# Altium PCB higgs.PcbDoc (part 15 of 25) (continued)
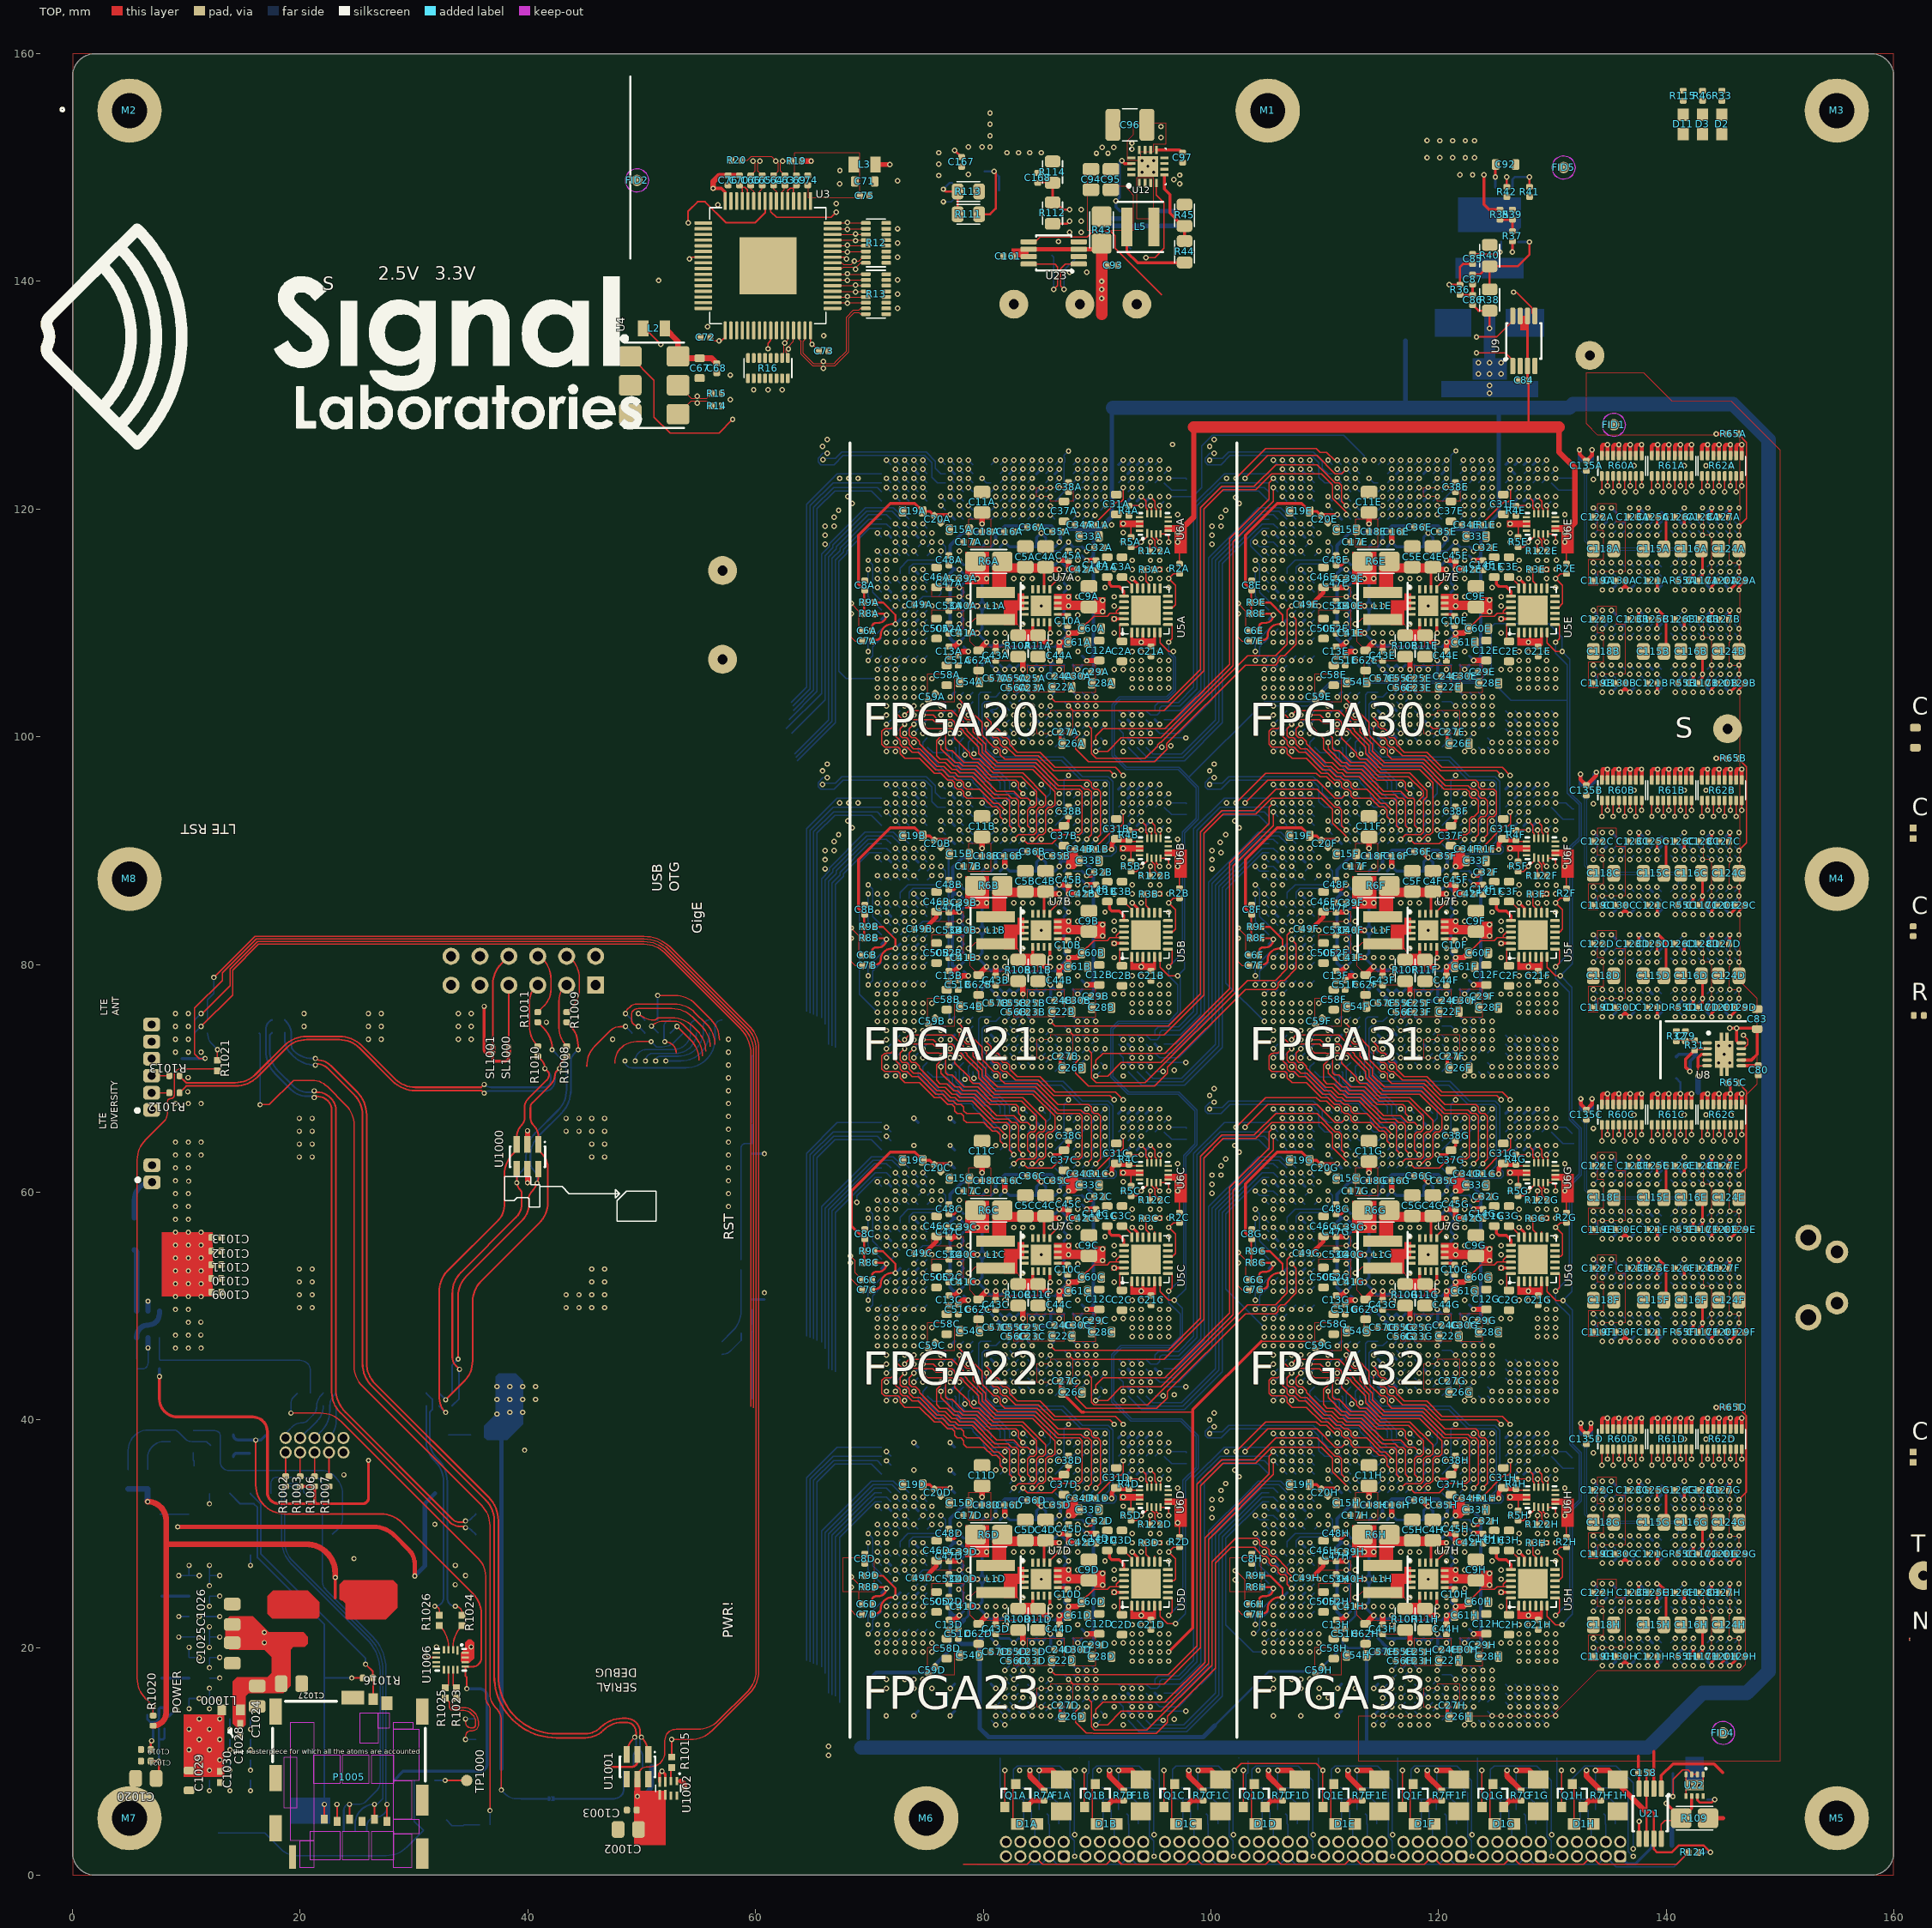
[diagram p0: TOP view]
## Nets (pads, with @x,y where several pads share a name; then routed paths per layer and width w, separated by ;. In a path a pad name is that pad's centre, name@x,y a point inside that pad or via, vN(x,y) a via of type N, cw(c..) or ccw(c..) an arc to the next point about the centre after c; other vN are vias at no path point) (continued)
  BOT w0.102: v1(114.3,74.2) 115.1,74.2 U1F.P27@115.5,74.6 ; U1G.AB7@121.9,62.1 v1(122.3,62.5)
IL12_31.LR.G2.D4_N: U1F.L27 U1G.W4 | length 17.4
  S6(H) w0.102: v1(112.7,74.2) 112.299,73.799 112.299,71.47 114.774,68.995 118.4,68.995 120.2,67.195 120.569,67.195 121.099,66.665 121.099,65.535 120.865,65.301 120.301,65.301 v1(119.9,64.9)
  BOT w0.102: v1(112.7,74.2) U1F.L27@113.1,74.6 ; U1G.W4@119.5,64.5 v1(119.9,64.9)
IL12_31.LR.G2.D4_P: U1F.L26 U1G.Y4 | length 18.2
  S6(H) w0.102: v1(112.7,75) 112.7,74.764 113.099,74.365 113.099,71.101 114.9,69.3 118.527,69.3 120.327,67.5 121.064,67.5 121.899,66.665 121.899,65.904 120.895,64.9 v1(120.7,64.9)
  BOT w0.102: v1(112.7,75) U1F.L26@113.1,75.4 ; U1G.Y4@120.3,64.5 v1(120.7,64.9)
IL12_31.LR.G2.S_N: U1F.N29 U1G.AB6 | length 27.9
  TOP w0.102: v1(114.3,73.4) 114.3,73.164 114.699,72.765 114.699,72.437 114.935,72.201 115.264,72.201 115.5,71.964 115.5,71.636 115.736,71.399 116.065,71.399 116.299,71.165 116.299,70.836 116.998,70.138 118.982,70.138 120.316,68.804 125.614,68.804 v1@126.309,68.109
  S6(H) w0.102: v1(122.3,63.3) 121.901,62.901 121.901,62.335 122.136,62.1 124.064,62.1 124.299,62.335 124.299,68.099 124.699,68.499 125.901,68.499 v1(126.3,68.1)
  BOT w0.102: v1(114.3,73.4) U1F.N29@114.7,73 ; U1G.AB6@121.9,62.9 v1(122.3,63.3)
IL12_31.LR.G2.S_P: U1F.N30 U1G.AB5 | length 26.5
  TOP w0.102: v1(114.3,72.6) 114.3,72.036 114.935,71.401 115.264,71.401 115.499,71.165 115.499,70.836 115.735,70.601 116.064,70.601 116.832,69.833 118.856,69.833 120.19,68.499 125.118,68.499 v1@125.509,68.109
  S6(H) w0.102: v1(122.3,64.1) 121.596,63.396 121.596,62.208 122.009,61.795 124.191,61.795 125.099,62.704 125.099,67.699 v1(125.5,68.1)
  BOT w0.102: v1(114.3,72.6) U1F.N30@114.7,72.2 ; U1G.AB5@121.9,63.7 v1(122.3,64.1)
IL12_31.LR.G3.D0_N: U1F.E30 U1G.AB4 | length 19.5
  S1(V) w0.102: v1(107.9,71.8) 107.9,71.68 108.395,71.185 108.395,70.616 111.501,67.51 111.501,67.135 111.736,66.9 113.416,66.9 115.017,65.299 120.065,65.299 120.301,65.064 120.301,64.735 120.535,64.501 121,64.501 121.399,64.9 v1(122.3,64.9)
  BOT w0.102: v1(107.9,71.8) U1F.E30@108.3,72.2 ; U1G.AB4@121.9,64.5 v1(122.3,64.9)
IL12_31.LR.G3.D0_P: U1F.F30 U1G.AB3 | length 18.4
  S1(V) w0.102: v1(108.7,71.8) 108.7,70.742 111.67,67.772 112.975,67.772 114.647,66.1 120.105,66.1 120.299,65.905 120.299,65.8 120.301,65.798 120.301,65.535 120.535,65.301 120.998,65.301 121,65.299 121.899,65.299 v1(122.3,65.7)
  BOT w0.102: v1(108.7,71.8) U1F.F30@109.1,72.2 ; U1G.AB3@121.9,65.3 v1(122.3,65.7)
IL12_31.LR.G3.D1_N: U1F.D32 U1G.AD4 | length 24.3
  S1(V) w0.102: v1(107.099,70.199) 108.998,68.3 108.998,67.997 109.404,67.592 109.404,66.792 110.896,65.299 111.265,65.299 111.499,65.065 111.499,64.802 111.501,64.8 111.501,64.735 111.735,64.501 112.495,64.501 115.091,61.905 120.68,61.905 121.55,62.775 121.55,64.148 121.901,64.499 122.464,64.499 122.864,64.9 v1(123.9,64.9)
  BOT w0.102: v1(107.099,70.199) U1F.D32@107.499,70.599 ; U1G.AD4@123.5,64.5 v1(123.9,64.9)
IL12_31.LR.G3.D1_P: U1F.C32 U1G.AC5 | length 24.2
  S1(V) w0.102: v1@106.299,70.199 106.365,70.199 108.299,68.265 108.299,67.137 108.536,66.899 108.865,66.899 110.394,65.37 110.394,65.001 110.895,64.5 111.264,64.5 111.501,64.264 111.501,63.935 111.735,63.701 112.864,63.701 114.964,61.6 121,61.6 121.901,62.501 121.901,63.602 121.998,63.699 122.699,63.699 v1(123.1,64.1)
  BOT w0.102: v1@106.299,70.199 U1F.C32@106.699,70.599 ; U1G.AC5@122.7,63.7 v1(123.1,64.1)
  other v1: 106.3,70.2
IL12_31.LR.G3.D2_N: U1F.L30 U1G.Y1 | length 10.6
  BOT w0.102: U1F.L30@113.1,72.2 113.5,71.8 113.5,70.5 113.691,70.309 113.691,70.109 114.695,69.105 118.695,69.105 120.3,67.5 U1G.Y1@120.3,66.9
IL12_31.LR.G3.D2_P: U1F.L31 U1G.W2 | length 11.4
  BOT w0.102: U1F.L31@113.1,71.4 112.7,71 112.7,70.4 112.795,70.305 112.795,70.069 112.799,70.065 112.799,69.836 113.035,69.601 113.768,69.601 114.569,68.8 118.569,68.8 119.9,67.469 119.9,66.5 U1G.W2@119.5,66.1
IL12_31.LR.G3.D3_N: U1F.K29 U1G.AE3 | length 19.6
  S1(V) w0.102: v1(111.9,72.6) 112.136,72.6 113.264,71.471 113.264,70.5 114.464,69.3 123.695,69.3 125.404,67.592 125.404,66.168 124.936,65.7 v1(124.7,65.7)
  BOT w0.102: v1(111.9,72.6) U1F.K29@112.3,73 ; U1G.AE3@124.3,65.3 v1(124.7,65.7)
IL12_31.LR.G3.D3_P: U1F.J29 U1G.AD3 | length 20.9
  S1(V) w0.102: v1(111.1,72.6) 111.336,72.6 111.736,72.2 112.105,72.2 112.799,71.505 112.799,69.8 112.998,69.601 113.732,69.601 114.338,68.995 123.569,68.995 125.099,67.465 125.099,66.335 124.864,66.1 124.3,66.1 v1(123.9,65.7) v1(123.9,65.7)
  BOT w0.102: v1(111.1,72.6) U1F.J29@111.5,73 ; U1G.AD3@123.5,65.3 v1(123.9,65.7)
IL12_31.LR.G3.D4_N: U1F.H28 U1G.AE2 | length 20.3
  S1(V) w0.102: v1(110.3,73.4) 110.3,72.364 110.699,71.965 110.699,70.605 112.313,68.991 113.48,68.991 114.086,68.386 120.65,68.386 121.335,67.701 121.665,67.701 121.937,67.972 123.792,67.972 124.299,67.465 124.299,67.301 124.301,67.299 124.301,66.901 v1(124.7,66.5) v1(124.7,66.5)
  BOT w0.102: v1(110.3,73.4) U1F.H28@110.7,73.8 ; U1G.AE2@124.3,66.1 v1(124.7,66.5)
IL12_31.LR.G3.D4_P: U1F.H27 U1G.AC2 | length 19.7
  S1(V) w0.102: v1(110.3,74.2) 109.901,73.801 109.901,70.835 112.049,68.687 113.354,68.687 113.959,68.081 120.524,68.081 121.208,67.396 122.204,67.396 v1(123.1,66.5)
  BOT w0.102: v1(110.3,74.2) U1F.H27@110.7,74.6 ; U1G.AC2@122.7,66.1 v1(123.1,66.5)
IL12_31.LR.G3.S_N: U1F.B30 U1G.AB2 | length 23.4
  S1(V) w0.102: v1(105.5,71.8) 105.101,72.199 105.101,72.765 105.335,72.999 106.299,72.999 106.3,73 109.292,73 109.596,72.696 109.596,70.708 111.923,68.382 113.227,68.382 113.833,67.776 120.397,67.776 121.082,67.091 121.709,67.091 v1(122.3,66.5)
  BOT w0.102: v1(105.5,71.8) U1F.B30@105.9,72.2 ; U1G.AB2@121.9,66.1 v1(122.3,66.5)
IL12_31.LR.G3.S_P: U1F.B29 U1G.AC3 | length 22.3
  S1(V) w0.102: v1(105.5,72.6) 105.9,72.2 108.864,72.2 109.099,71.965 109.099,70.774 111.797,68.077 113.101,68.077 114.277,66.901 119.735,66.901 120.535,66.101 120.798,66.101 120.8,66.099 122.701,66.099 v1(123.1,65.7)
  BOT w0.102: v1(105.5,72.6) U1F.B29@105.9,73 ; U1G.AC3@122.7,65.3 v1(123.1,65.7)
IL12_31.TB.G8.D0_N: U1F.B22 U1G.AH1 | length 30.4
  S2(H) w0.102: v1(105.5,78.2) 105.901,77.799 105.901,77.235 106.136,77 110.9,77 111.5,76.4 111.5,72.436 111.735,72.201 112.064,72.201 114.768,69.496 115.873,69.496 ; v1(127.1,67.3) 127.1,68.1 126.618,68.582 117.48,68.582 116.567,69.495 115.874,69.495 ; 115.873,69.496 115.874,69.495
  BOT w0.102: v1(105.5,78.2) U1F.B22@105.9,78.6
  BOT w0.254: U1G.AH1@126.7,66.9 v1(127.1,67.3)
IL12_31.TB.G8.D0_P: U1F.A22 U1G.AG1 | length 36.1
  S2(H) w0.102: v1(104.7,78.2) 104.3,77.8 104.3,76.436 104.536,76.199 104.865,76.199 105.099,75.965 105.099,75.636 105.336,75.399 105.665,75.399 105.899,75.165 105.899,75.101 105.901,75.099 105.901,74.835 106.135,74.601 109.095,74.601 109.596,74.1 109.596,72.308 109.901,72.004 109.901,71.635 110.136,71.399 110.465,71.399 110.699,71.165 110.699,70.836 112.035,69.501 112.704,69.501 112.908,69.296 113.675,69.296 114.39,68.582 115.3,68.582 ; v1(126.3,67.3) 126.395,67.205 126.631,67.205 126.936,66.899 127.265,66.899 127.499,66.665 127.499,66.5 127.499,65.535 127.265,65.301 126.135,65.301 125.901,65.535 125.901,65.599 125.899,65.601 125.899,65.865 125.665,66.099 123.736,66.099 123.735,66.101 122.935,66.101 122.701,66.335 122.701,66.4 122.699,66.402 122.699,66.665 122.465,66.899 121.801,66.899 117.6,66.9 117.599,66.901 117.335,66.901 117.101,67.135 117.101,67.366 117.1,67.367 117.1,67.669 116.188,68.581 115.301,68.581 ; 115.3,68.582 115.301,68.581
  BOT w0.102: v1(104.7,78.2) U1F.A22@105.1,78.6
  BOT w0.254: U1G.AG1@125.9,66.9 v1(126.3,67.3)
IL12_31.TB.G8.D1_N: U1F.D22 U1G.AM2 | length 32.7
  S2(H) w0.102: v1(107.1,78.2) 107.499,78.599 111.025,78.599 113.901,75.723 113.901,74.9 113.901,73.4 113.901,72.765 113.901,72.435 114.135,72.201 116.864,72.201 117.099,71.965 117.099,70.687 117.985,69.801 127.899,69.801 130.3,67.4 v1(130.3,66.5)
  BOT w0.102: v1(107.1,78.2) U1F.D22@107.5,78.6 ; U1G.AM2@129.9,66.1 v1(130.3,66.5)
IL12_31.TB.G8.D1_P: U1F.C22 U1G.AL1 | length 32.1
  S2(H) w0.102: v1(106.3,78.2) 107.195,77.305 111.026,77.305 112.3,76.031 112.3,72.436 112.535,72.201 112.842,72.201 114.701,70.342 114.701,70.035 114.935,69.801 115.999,69.801 116,69.8 116.693,69.8 117.607,68.887 126.8,68.887 127.5,68.187 127.5,67.3 127.501,67.299 127.501,67.135 127.736,66.9 129.1,66.9 v1(129.5,67.3)
  BOT w0.102: v1(106.3,78.2) U1F.C22@106.7,78.6 ; U1G.AL1@129.1,66.9 v1(129.5,67.3)
IL12_31.TB.G8.D2_N: U1F.F22 U1G.AK1 | length 28.4
  S2(H) w0.102: v1(108.7,78.2) 110.993,78.2 113.596,75.597 113.596,72.308 114.504,71.401 116.064,71.401 116.299,71.165 116.299,70.837 116.726,70.41 116.946,70.41 117.859,69.496 127.604,69.496 128.7,68.4 v1(128.7,67.3)
  BOT w0.102: v1(108.7,78.2) U1F.F22@109.1,78.6
  BOT w0.254: U1G.AK1@128.3,66.9 v1(128.7,67.3)
IL12_31.TB.G8.D2_P: U1F.E22 U1G.AJ1 | length 28.4
  S2(H) w0.102: v1(107.9,78.2) 108.49,77.61 111.153,77.61 113.291,75.471 113.291,72.182 114.873,70.601 116.104,70.601 116.6,70.105 116.819,70.105 117.733,69.191 127.478,69.191 127.9,68.769 v1(127.9,67.3)
  BOT w0.102: v1(107.9,78.2) U1F.E22@108.3,78.6
  BOT w0.254: U1G.AJ1@127.5,66.9 v1(127.9,67.3)
IL12_31.TB.G8.D3_N: U1F.B23 U1G.AH3 | length 30.6
  S2(H) w0.102: v1(105.5,77.4) 105.5,77.164 105.899,76.765 105.899,76.501 105.901,76.499 105.901,76.435 106.136,76.2 110.299,76.2 110.701,75.798 110.701,72.435 110.935,72.201 111.264,72.201 111.501,71.964 111.501,71.635 111.735,71.401 112.432,71.401 114.642,69.191 115.747,69.191 115.748,69.19 116.441,69.19 117.354,68.277 120.759,68.277 121.335,67.701 125.3,67.701 125.302,67.699 125.665,67.699 125.899,67.465 125.899,67.136 126.136,66.9 126.464,66.9 126.699,66.665 126.699,66.501 126.701,66.499 126.701,66.101 v1(127.1,65.7) v1(127.1,65.7)
  BOT w0.102: v1(105.5,77.4) U1F.B23@105.9,77.8 ; U1G.AH3@126.7,65.3 v1(127.1,65.7)
IL12_31.TB.G8.D3_P: U1F.A23 U1G.AG3 | length 30.4
  S2(H) w0.102: v1(104.7,77.4) 105.099,77.001 105.099,76.436 105.336,76.199 105.665,76.199 105.901,75.964 105.901,75.635 106.135,75.401 109.699,75.401 109.901,75.199 109.901,72.765 109.901,72.435 110.136,72.199 110.465,72.199 110.699,71.965 110.699,71.637 110.935,71.401 111.304,71.401 112.405,70.299 112.565,70.299 112.799,70.065 112.799,69.836 113.035,69.601 113.801,69.601 114.516,68.887 115.62,68.887 115.621,68.886 116.314,68.886 117.228,67.972 120.632,67.972 121.208,67.396 122.439,67.396 122.936,66.9 125.6,66.9 ; 125.601,66.899 125.665,66.899 125.901,66.664 125.901,66.335 126.3,65.936 v1(126.3,65.7)
  BOT w0.102: v1(104.7,77.4) U1F.A23@105.1,77.8 ; U1G.AG3@125.9,65.3 v1(126.3,65.7)
IL12_31.TB.G13.C_N: U1F.F17 U1G.AE1 | length 29.6
  S5(V) w0.102: v1(108.7,82.2) 111.336,82.2 111.735,81.801 114.464,81.801 115.499,80.765 115.499,80.601 ; 115.5,80.6 115.5,70.836 115.735,70.601 115.999,70.601 116.001,70.599 116.065,70.599 116.832,69.833 121.59,69.833 122.327,69.095 123.8,69.095 124.7,68.195 v1(124.7,67.3)
  BOT w0.102: v1(108.7,82.2) U1F.F17@109.1,82.6 ; U1G.AE1@124.3,66.9 v1(124.7,67.3)
IL12_31.TB.G13.C_P: U1F.E17 U1G.AD1 | length 32.8
  S5(V) w0.102: v1(107.9,82.2) 108.3,82.6 114.5,82.6 116.299,80.801 116.299,70.836 116.998,70.138 121.716,70.138 122.453,69.4 123.926,69.4 125.099,68.227 125.099,67.135 124.865,66.901 124.299,66.901 v1(123.9,67.3)
  BOT w0.102: v1(107.9,82.2) U1F.E17@108.3,82.6 ; U1G.AD1@123.5,66.9 v1(123.9,67.3)
IL12_31.TB.G13.D0_N: U1F.F18 U1G.AC1 | length 26.5
  S5(V) w0.102: v1(108.7,81.4) 110.905,81.4 112.037,80.268 113.268,80.268 113.901,79.635 113.901,72.6 113.901,72.336 114.394,71.842 114.394,70.341 115.512,69.223 121.177,69.223 v1(123.1,67.3)
  BOT w0.102: v1(108.7,81.4) U1F.F18@109.1,81.8 ; U1G.AC1@122.7,66.9 v1(123.1,67.3)
IL12_31.TB.G13.D0_P: U1F.D18 U1G.AB1 | length 32.3
  S5(V) w0.102: v1(107.1,81.4) 107.102,81.4 107.501,81.799 107.899,81.799 ; 107.9,81.8 110.936,81.8 111.735,81.001 114.464,81.001 114.699,80.765 114.699,71.1 114.701,71.098 114.701,70.835 114.936,70.599 115.265,70.599 115.5,70.364 115.5,70.036 116.008,69.528 121.463,69.528 123.5,67.491 123.5,67.136 123.265,66.901 121.901,66.901 v1(121.5,66.5)
  BOT w0.102: v1(107.1,81.4) U1F.D18@107.5,81.8 ; v1(121.5,66.5) U1G.AB1@121.9,66.9
IL12_31.TB.G13.D1_N: U1F.B19 U1G.V7 | length 29.5
  S5(V) w0.102: v1(105.5,80.6) 105.101,80.201 105.101,78.835 105.336,78.599 105.665,78.599 105.899,78.365 105.899,78.201 105.901,78.199 105.901,76.435 106.135,76.201 106.464,76.201 106.701,75.964 106.701,74.835 106.935,74.601 107.098,74.601 107.1,74.599 107.265,74.599 107.501,74.364 107.501,74.035 107.736,73.799 108.065,73.799 108.301,73.564 108.301,70.844 111.499,67.646 111.499,67.136 111.736,66.9 113.695,66.9 114.496,66.099 116.065,66.099 116.299,65.865 116.299,65.535 116.28,65.516 116.496,65.299 116.865,65.299 117.099,65.065 117.099,64.736 117.336,64.499 118.465,64.499 118.699,64.265 118.699,63.901 118.9,63.7 119.264,63.7 119.499,63.465 119.499,62.899 v1(119.1,62.5)
  BOT w0.102: v1(105.5,80.6) U1F.B19@105.9,81 ; U1G.V7@118.7,62.1 v1(119.1,62.5)
IL12_31.TB.G13.D1_P: U1F.A19 U1G.V6 | length 29.6
  S5(V) w0.102: v1(103.9,79) 104.3,78.6 104.3,78.101 ; 104.301,78.1 104.301,77.235 104.536,76.999 104.865,76.999 105.101,76.764 105.101,76.435 105.335,76.201 105.664,76.201 105.899,75.965 105.899,74.836 106.135,74.601 106.464,74.601 106.7,74.364 106.7,74.2 ; 106.701,74.2 106.701,74.035 106.936,73.799 107.265,73.799 107.499,73.565 107.499,70.836 107.779,70.557 108.157,70.557 110.701,68.013 110.701,66.335 110.936,66.099 114.065,66.099 114.561,65.604 115.392,65.604 115.696,65.299 116.065,65.299 116.301,65.064 116.301,64.735 116.536,64.499 116.865,64.499 117.101,64.264 117.101,63.935 117.335,63.701 118.464,63.701 118.864,63.3 v1(119.1,63.3)
  BOT w0.102: v1(103.9,79) 103.9,79.8 U1F.A19@105.1,81 ; U1G.V6@118.7,62.9 v1(119.1,63.3)
IL12_31.TB.G13.D2_N: U1F.D19 U1G.W1 | length 23.8
  S5(V) w0.102: v1(107.1,80.6) 107.501,80.199 108.065,80.199 108.3,79.964 108.3,79.636 108.535,79.401 110.306,79.401 111.501,78.206 111.501,69.804 112.108,69.196 113.815,69.196 115.007,68.004 118.396,68.004 v1(119.1,67.3)
  BOT w0.102: v1(107.1,80.6) U1F.D19@107.5,81 ; v1(119.1,67.3) U1G.W1@119.5,66.9
IL12_31.TB.G13.D2_P: U1F.C19 U1G.V1 | length 24.5
  S5(V) w0.102: v1(106.3,80.6) 105.9,80.2 105.9,78.836 106.135,78.601 106.464,78.601 106.699,78.365 106.699,78.037 107.5,77.236 107.5,75.3 ; 107.501,75.299 107.501,74.835 107.735,74.601 108.064,74.601 108.299,74.365 108.299,74.2 108.301,74.198 108.301,74.035 108.536,73.799 108.865,73.799 109.291,73.373 109.291,70.285 111.877,67.699 113.327,67.699 114.623,66.404 116.192,66.404 116.495,66.101 117.901,66.101 v1(118.3,66.5)
  BOT w0.102: v1(106.3,80.6) U1F.C19@106.7,81 ; v1(118.3,66.5) U1G.V1@118.7,66.9
IL12_31.TB.G13.D3_N: U1F.F19 U1G.AE4 | length 29.4
  S5(V) w0.102: v1(108.7,80.6) 109.969,80.6 111.969,78.6 112.864,78.6 113.099,78.365 113.099,72.275 113.785,71.59 113.785,70.089 115.26,68.614 119.772,68.614 120.301,68.085 120.301,66.335 120.536,66.099 120.865,66.099 121.664,65.301 122.298,65.301 122.3,65.299 122.465,65.299 123.264,64.501 124.301,64.501 v1(124.7,64.9)
  BOT w0.102: v1(108.7,80.6) U1F.F19@109.1,81 ; U1G.AE4@124.3,64.5 v1(124.7,64.9)
IL12_31.TB.G13.D3_P: U1F.E19 U1G.AE5 | length 32.2
  S5(V) w0.102: v1(107.9,80.6) 108.299,80.999 110.001,80.999 111.599,79.401 113.095,79.401 113.596,78.9 113.596,72.209 114.09,71.716 114.09,70.215 115.386,68.918 120.182,68.918 121.1,68 121.1,66.336 121.336,66.099 122.465,66.099 122.699,65.865 122.699,65.7 122.701,65.698 122.701,65.535 122.935,65.301 123.217,65.301 123.218,65.3 124.3,65.3 124.301,65.299 124.865,65.299 125.099,65.065 125.099,64.499 v1(124.7,64.1)
  BOT w0.102: v1(107.9,80.6) U1F.E19@108.3,81 ; U1G.AE5@124.3,63.7 v1(124.7,64.1)
IL12_31.TB.G13.D4_N: U1F.C20 U1G.U1 | length 21.6
  S5(V) w0.102: v1(106.3,79.8) 106.3,79.564 106.699,79.165 106.699,78.901 107.001,78.599 107.265,78.599 107.499,78.365 107.499,77.668 108.299,76.868 108.299,76.501 ; 108.3,76.5 108.3,75.164 109.596,73.868 109.596,70.411 112.003,68.004 113.454,68.004 114.557,66.901 117.101,66.901 v1(117.5,67.3)
  BOT w0.102: v1(106.3,79.8) U1F.C20@106.7,80.2 ; v1(117.5,67.3) U1G.U1@117.9,66.9
IL12_31.TB.G13.D4_P: U1F.A20 U1G.T1 | length 28.6
  S5(V) w0.102: v1(103.9,78.2) 103.501,78.599 103.501,79.165 105.335,80.999 106.465,80.999 106.699,80.765 106.699,79.596 107.504,78.791 108.673,78.791 109.901,77.564 109.901,70.537 112.129,68.309 113.58,68.309 114.589,67.3 v1(116.7,67.3)
  BOT w0.102: v1(103.9,78.2) 104.3,78.6 104.3,79.4 U1F.A20@105.1,80.2 ; v1(116.7,67.3) U1G.T1@117.1,66.9
IL12_31.TB.G13.D5_N: U1F.F20 U1G.AE6 | length 32.2
  S5(V) w0.102: v1(108.7,79.8) 110.338,79.8 112.3,77.838 112.3,70.9 112.001,70.601 112.001,69.735 112.235,69.501 113.942,69.501 115.134,68.309 119.646,68.309 119.996,67.958 119.996,66.208 120.302,65.902 120.302,65.867 120.301,65.865 120.301,65.535 120.535,65.301 120.702,65.301 ; 120.702,65.299 120.865,65.299 121.099,65.065 121.099,63.401 121.599,62.901 123.265,62.901 123.499,63.135 123.499,63.464 123.735,63.699 124.098,63.699 124.1,63.701 124.299,63.701 v1(124.7,63.3)
  BOT w0.102: v1(108.7,79.8) U1F.F20@109.1,80.2 ; U1G.AE6@124.3,62.9 v1(124.7,63.3)
IL12_31.TB.G13.D5_P: U1F.D20 U1G.AD6 | length 32.2
  S5(V) w0.102: v1(107.1,79.8) 107.336,79.8 108.039,79.096 109.635,79.096 110.701,78.03 110.701,70.168 111.978,68.891 113.689,68.891 114.881,67.699 118.136,67.699 119.501,66.335 119.501,65.535 119.736,65.299 120.065,65.299 120.299,65.065 120.299,63.401 121.599,62.101 123.301,62.101 123.501,62.301 123.501,62.665 123.9,63.064 v1(123.9,63.3)
  BOT w0.102: v1(107.1,79.8) U1F.D20@107.5,80.2 ; U1G.AD6@123.5,62.9 v1(123.9,63.3)
IL12_31.TB.G13.D6: U1F.C23 U1G.U4 | length 32.5
  S1(V) w0.102: v1(106.3,77.4) 105.899,76.999 105.335,76.999 105.1,76.764 105.1,73.995 104.491,73.387 104.491,71.444 105.335,70.601 107.262,70.601 109.901,67.962 109.901,67.135 110.936,66.099 111.265,66.099 111.501,65.864 111.501,65.535 111.735,65.301 112.864,65.301 114.701,63.464 114.701,63.135 114.935,62.901 120.126,62.901 120.299,63.074 120.299,64.265 120.064,64.5 119.5,64.5 ; v1(118.3,64.9) 118.699,64.501 120.064,64.501
  BOT w0.102: v1(106.3,77.4) U1F.C23@106.7,77.8 ; U1G.U4@117.9,64.5 v1(118.3,64.9)
IL12_32.LR.G0.D0_N: U1G.D28 U1H.T7 | length 29.8
  TOP w0.102: v1(107.1,44.9) 107.499,45.299 108.699,45.299 ; 108.7,45.3 110.5,45.3 ; 110.501,45.299 111.265,45.299 112.064,44.501 112.299,44.265 112.299,43.937 112.604,43.632 112.604,43.523 113.904,42.223 113.904,41.64 115.126,40.418 118.477,40.418 120.496,38.399 122.465,38.399 122.699,38.165 122.699,34.635 122.465,34.401 120.865,34.401 120.065,33.601 117.899,33.601 v1(117.5,34)
  BOT w0.102: v1(107.1,44.9) U1G.D28@107.5,45.3 ; U1H.T7@117.1,33.6 v1(117.5,34)
IL12_32.LR.G0.D0_P: U1G.C28 U1H.R7 | length 23.7
  TOP w0.102: v1(106.3,44.9) 106.536,44.9 106.935,44.501 108.699,44.501 ; 108.7,44.5 109.569,44.5 109.873,44.196 110.399,44.196 110.895,43.701 111.264,43.701 111.501,43.464 111.501,42.864 112.801,41.564 112.801,41.335 113.108,41.028 113.654,41.028 114.873,39.809 117.487,39.809 119.5,37.795 119.5,37.225 119.499,37.224 119.499,37.035 119.265,36.801 118.936,36.801 118.701,36.565 118.701,34.965 118.699,34.964 118.699,34.635 118.464,34.4 117.1,34.4 v1(116.7,34)
  BOT w0.102: v1(106.3,44.9) U1G.C28@106.7,45.3 ; U1H.R7@116.3,33.6 v1(116.7,34)
IL12_32.LR.G0.D1_N: U1G.C30 U1H.P4 | length 14.2
  TOP w0.102: v1(106.3,43.3) 106.3,43.064 106.699,42.665 106.699,42.336 106.935,42.101 107.304,42.101 107.767,41.638 108.305,41.638 109.838,40.105 110.422,40.105 111.023,39.504 111.392,39.504 111.696,39.199 112.065,39.199 112.301,38.964 112.301,38.635 112.535,38.401 113.695,38.401 114.926,37.169 115.326,37.169 115.9,36.595 v1(115.9,36.4)
  BOT w0.102: v1(106.3,43.3) U1G.C30@106.7,43.7 ; U1H.P4@115.5,36 v1(115.9,36.4)
IL12_32.LR.G0.D1_P: U1G.C29 U1H.P5 | length 18.2
  TOP w0.102: v1(106.3,44.1) 106.298,44.1 105.899,43.701 105.501,43.701 105.499,43.699 105.335,43.699 105.101,43.465 105.101,42.665 105.101,42.335 105.335,42.101 106.504,42.101 106.7,41.905 106.7,41.534 107.134,41.1 108.411,41.1 109.711,39.8 110.295,39.8 110.896,39.199 111.265,39.199 111.501,38.964 111.501,38.635 111.736,38.399 112.065,38.399 112.299,38.165 112.299,37.836 112.535,37.601 114.064,37.601 114.8,36.864 115.2,36.864 115.499,36.565 115.499,36.001 v1(115.9,35.6)
  BOT w0.102: v1(106.3,44.1) U1G.C29@106.7,44.5 ; U1H.P5@115.5,35.2 v1(115.9,35.6)
IL12_32.LR.G0.D2_N: U1G.E29 U1H.T6 | length 17.1
  TOP w0.102: v1(107.9,44.1) 107.501,43.701 107.501,43.135 107.735,42.901 108.064,42.901 108.4,42.564 108.4,42.405 110.09,40.714 110.674,40.714 111.275,40.114 111.644,40.114 111.949,39.809 113.149,39.809 115.054,37.904 116.192,37.904 116.496,37.599 116.865,37.599 117.099,37.365 117.099,35.201 v1(117.5,34.8)
  BOT w0.102: v1(107.9,44.1) U1G.E29@108.3,44.5 ; U1H.T6@117.1,34.4 v1(117.5,34.8)
IL12_32.LR.G0.D2_P: U1G.D29 U1H.R6 | length 17.2
  TOP w0.102: v1(107.1,44.1) 106.701,43.701 106.701,43.1 106.902,42.899 107.265,42.899 107.499,42.665 107.499,42.336 107.893,41.942 108.431,41.942 109.964,40.41 110.548,40.41 111.149,39.809 111.518,39.809 111.823,39.504 113.023,39.504 114.927,37.599 116.065,37.599 116.299,37.365 116.299,35.201 v1(116.7,34.8)
  BOT w0.102: v1(107.1,44.1) U1G.D29@107.5,44.5 ; U1H.R6@116.3,34.4 v1(116.7,34.8)
IL12_32.LR.G0.D3_N: U1G.F28 U1H.U7 | length 21.6
  TOP w0.102: v1(108.7,44.9) 109.6,44.9 109.999,44.501 110.6,44.501 110.602,44.499 111.265,44.499 111.499,44.265 111.499,44.101 111.501,44.099 111.501,43.935 111.735,43.701 112.064,43.701 112.299,43.465 112.299,43.396 113.599,42.096 113.599,41.514 114.999,40.114 118.351,40.114 120.301,38.164 120.301,37.275 120.299,37.273 120.299,37.035 120.065,36.801 119.736,36.801 119.501,36.565 119.501,34.636 119.265,34.401 118.936,34.401 118.536,34 v1(118.3,34)
  BOT w0.102: v1(108.7,44.9) U1G.F28@109.1,45.3 ; U1H.U7@117.9,33.6 v1(118.3,34)
IL12_32.LR.G0.D3_P: U1G.F29 U1H.U6 | length 18.5
  TOP w0.102: v1(108.7,44.1) 109.1,43.7 110.136,43.7 110.136,43.699 110.465,43.699 110.699,43.465 110.699,41.983 110.883,41.799 111.252,41.799 112.328,40.723 113.528,40.723 114.747,39.504 117.361,39.504 118.699,38.165 118.699,37.035 118.465,36.801 118.136,36.801 117.901,36.565 117.901,35.765 117.9,35.764 117.9,35.2 v1(118.3,34.8)
  BOT w0.102: v1(108.7,44.1) U1G.F29@109.1,44.5 ; U1H.U6@117.9,34.4 v1(118.3,34.8)
IL12_32.LR.G0.D4_N: U1G.D31 U1H.U5 | length 16.3
  S2(H) w0.102: v1(107.1,42.5) 107.499,42.899 109.227,42.899 110.245,41.881 110.723,41.881 111.908,40.696 112.577,40.696 112.782,40.491 113.549,40.491 114.263,39.777 115.159,39.777 117.2,37.736 117.336,37.599 117.665,37.599 117.899,37.365 117.899,36.003 118.3,35.602 v1(118.3,35.6)
  BOT w0.102: v1(107.1,42.5) U1G.D31@107.5,42.9 ; U1H.U5@117.9,35.2 v1(118.3,35.6)
IL12_32.LR.G0.D4_P: U1G.D30 U1H.T4 | length 15.9
  S2(H) w0.102: v1(107.1,43.3) 106.7,42.9 106.7,42.336 106.935,42.101 109.595,42.101 110.119,41.576 110.597,41.576 111.782,40.391 112.451,40.391 112.656,40.187 113.423,40.187 115.705,37.904 116.596,37.904 117.101,37.399 117.101,37.035 117.5,36.636 v1(117.5,36.4)
  BOT w0.102: v1(107.1,43.3) U1G.D30@107.5,43.7 ; U1H.T4@117.1,36 v1(117.5,36.4)
IL12_32.LR.G0.S_N: U1G.C31 U1H.T5 | length 17
  S2(H) w0.102: v1(106.3,42.5) 105.899,42.099 105.899,41.332 106.726,40.505 111.238,40.505 112.543,39.199 112.865,39.199 113.292,38.773 113.96,38.773 115.134,37.599 116.065,37.599 116.301,37.364 116.301,37.035 116.535,36.801 116.864,36.801 117.101,36.564 117.101,36.001 117.5,35.602 v1(117.5,35.6)
  BOT w0.102: v1(106.3,42.5) U1G.C31@106.7,42.9 ; U1H.T5@117.1,35.2 v1(117.5,35.6)
IL12_32.LR.G0.S_P: U1G.B32 U1H.R4 | length 15
  S2(H) w0.102: v1(105.5,41.7) 105.5,41.3 106.6,40.2 111.111,40.2 112.299,39.012 112.299,38.601 112.499,38.401 113.901,38.401 115.501,36.801 115.999,36.801 116.001,36.799 116.065,36.799 116.464,36.4 v1(116.7,36.4)
  BOT w0.102: v1(105.5,41.7) U1G.B32@105.9,42.1 ; U1H.R4@116.3,36 v1(116.7,36.4)
IL12_32.LR.G1.D0_N: U1G.E32 U1H.P3 | length 10
  BOT w0.102: U1G.E32@108.3,42.1 108.3,41.774 110.802,39.272 112.966,39.272 113.119,39.119 113.119,38.985 114.002,38.102 114.002,37.798 114.299,37.501 114.299,37.3 114.399,37.2 114.866,37.2 115.265,36.8 U1H.P3@115.5,36.8
IL12_32.LR.G1.D0_P: U1G.F31 U1H.P2 | length 9.8
  BOT w0.102: U1G.F31@109.1,42.9 108.7,42.5 108.7,41.935 111.058,39.577 113.092,39.577 113.434,39.234 113.434,39.1 114.534,38 115.1,38 U1H.P2@115.5,37.6
IL12_32.LR.G1.D1_N: U1G.H32 U1H.P1 | length 7
  BOT w0.102: U1G.H32@110.7,42.1 110.742,42.1 111.291,41.552 111.291,41.083 112.187,40.187 113.345,40.187 114.145,39.386 115.114,39.386 115.5,39 U1H.P1@115.5,38.4
IL12_32.LR.G1.D1_P: U1G.F32 U1H.N1 | length 7.6
  BOT w0.102: U1G.F32@109.1,42.1 109.594,41.606 110.806,41.606 110.986,41.426 110.986,40.957 112.061,39.882 113.218,39.882 114.019,39.081 114.419,39.081 114.7,38.8 U1H.N1@114.7,38.4
IL12_32.LR.G1.D2_N: U1G.H30 U1H.U3 | length 13.4
  TOP w0.102: v1(110.3,43.3) 110.3,43.064 109.901,42.665 109.901,41.335 110.216,41.019 110.8,41.019 111.401,40.418 111.77,40.418 112.075,40.114 113.275,40.114 115.18,38.209 116.687,38.209 117.295,37.601 117.899,37.601 v1(118.3,37.2)
  BOT w0.102: v1(110.3,43.3) U1G.H30@110.7,43.7 ; U1H.U3@117.9,36.8 v1(118.3,37.2)
IL12_32.LR.G1.D2_P: U1G.H31 U1H.U2 | length 10.8
  TOP w0.102: v1(110.3,42.5) 110.3,41.951 111.528,40.723 111.897,40.723 112.201,40.418 113.401,40.418 114.621,39.199 116.865,39.199 117.099,38.965 117.099,38.401 v1(117.5,38)
  BOT w0.102: v1(110.3,42.5) U1G.H31@110.7,42.9 ; v1(117.5,38) U1H.U2@117.9,37.6
IL12_32.LR.G1.D3_N: U1G.K30 U1H.T3 | length 12
  S6(H) w0.102: v1(111.9,43.3) 111.9,41.336 112.235,41.001 112.704,41.001 113.318,40.387 113.451,40.387 114.257,39.581 117.284,39.581 117.899,38.965 117.899,37.599 v1(117.5,37.2)
  BOT w0.102: v1(111.9,43.3) U1G.K30@112.3,43.7 ; U1H.T3@117.1,36.8 v1(117.5,37.2)
IL12_32.LR.G1.D3_P: U1G.J30 U1H.R3 | length 11.8
  S6(H) w0.102: v1(111.1,43.3) 111.595,42.805 111.595,41.209 112.108,40.696 112.577,40.696 113.192,40.082 113.325,40.082 114.131,39.276 116.887,39.276 117.1,39.063 117.1,37.6 v1(116.7,37.2)
  BOT w0.102: v1(111.1,43.3) U1G.J30@111.5,43.7 ; U1H.R3@116.3,36.8 v1(116.7,37.2)
IL12_32.LR.G1.D4_N: U1G.L32 U1H.Y3 | length 10.8
  S6(H) w0.102: v1(113.2,41.5) 114.51,40.19 118.274,40.19 120.301,38.164 120.301,37.599 v1(120.7,37.2)
  BOT w0.102: U1G.L32@113.1,42.1 113.1,41.695 113.104,41.692 113.104,41.596 v1(113.2,41.5) ; U1H.Y3@120.3,36.8 v1(120.7,37.2)
IL12_32.LR.G1.D4_P: U1G.K32 U1H.W3 | length 10.8
  S6(H) w0.102: v1(112.4,41.4) 112.736,41.4 113.444,40.691 113.578,40.691 114.383,39.886 117.6,39.886 118.204,39.282 118.204,38.896 v1(119.9,37.2)
  BOT w0.102: U1G.K32@112.3,42.1 112.3,41.5 v1(112.4,41.4) ; U1H.W3@119.5,36.8 v1(119.9,37.2)
IL12_32.LR.G1.S_N: U1G.J32 U1H.T2 | length 8.4
  BOT w0.102: U1G.J32@111.5,42.1 111.595,42.005 111.595,41.209 112.313,40.491 113.471,40.491 114.272,39.69 115.241,39.69 115.9,39.031 115.9,38.235 116.135,38 116.7,38 U1H.T2@117.1,37.6
IL12_32.LR.G1.S_P: U1G.K31 U1H.R1 | length 7.7
  BOT w0.102: U1G.K31@112.3,42.9 111.9,42.5 111.9,41.335 112.439,40.796 113.597,40.796 114.398,39.995 115.367,39.995 116.3,39.062 U1H.R1@116.3,38.4
IL12_32.LR.G2.D0_N: U1G.K26 U1H.AD7 | length 22.8
  TOP w0.102: v1(111.9,46.5) 111.9,46.264 112.301,45.864 112.301,45.535 112.535,45.301 112.798,45.301 112.8,45.299 112.865,45.299 113.901,44.264 113.901,43.135 114.935,42.101 115.264,42.101 115.501,41.864 115.501,41.427 115.9,41.028 118.73,41.028 120.558,39.2 123.264,39.2 123.501,38.964 123.501,38.635 123.735,38.401 124.064,38.401 124.299,38.165 124.299,34.401 123.9,34.002 v1(123.9,34)
  BOT w0.102: v1(111.9,46.5) U1G.K26@112.3,46.9 ; U1H.AD7@123.5,33.6 v1(123.9,34)
IL12_32.LR.G2.D0_P: U1G.K27 U1H.AC7 | length 21.3
  TOP w0.102: v1(111.9,45.7) 111.9,45.136 112.535,44.501 112.864,44.501 113.099,44.265 113.099,43.458 114.209,42.349 114.209,41.766 115.252,40.723 118.603,40.723 120.623,38.704 122.592,38.704 122.896,38.399 123.265,38.399 123.499,38.165 123.499,34.399 v1(123.1,34)
  BOT w0.102: v1(111.9,45.7) U1G.K27@112.3,46.1 ; U1H.AC7@122.7,33.6 v1(123.1,34)
IL12_32.LR.G2.D1_N: U1G.L29 U1H.W5 | length 33.1
  S1(V) w0.102: v1(112.7,44.1) 113.099,44.499 113.099,45.865 112.865,46.099 110.135,46.099 109.335,45.3 105.335,45.3 104.796,44.761 104.796,43.4 105.297,42.899 107.265,42.899 107.499,42.665 107.499,42.336 108.045,41.79 108.29,41.79 110.701,39.379 110.701,38.635 110.935,38.401 111.264,38.401 111.499,38.165 111.499,37.835 111.733,37.601 112.935,37.601 113.236,37.3 113.236,36.86 114.896,35.199 119.499,35.199 v1(119.9,35.6)
  BOT w0.102: v1(112.7,44.1) U1G.L29@113.1,44.5 ; U1H.W5@119.5,35.2 v1(119.9,35.6)